# Altium PCB ASCII_LimeSDR-USB_1v4s.PcbDoc (part 9 of 10) (continued)
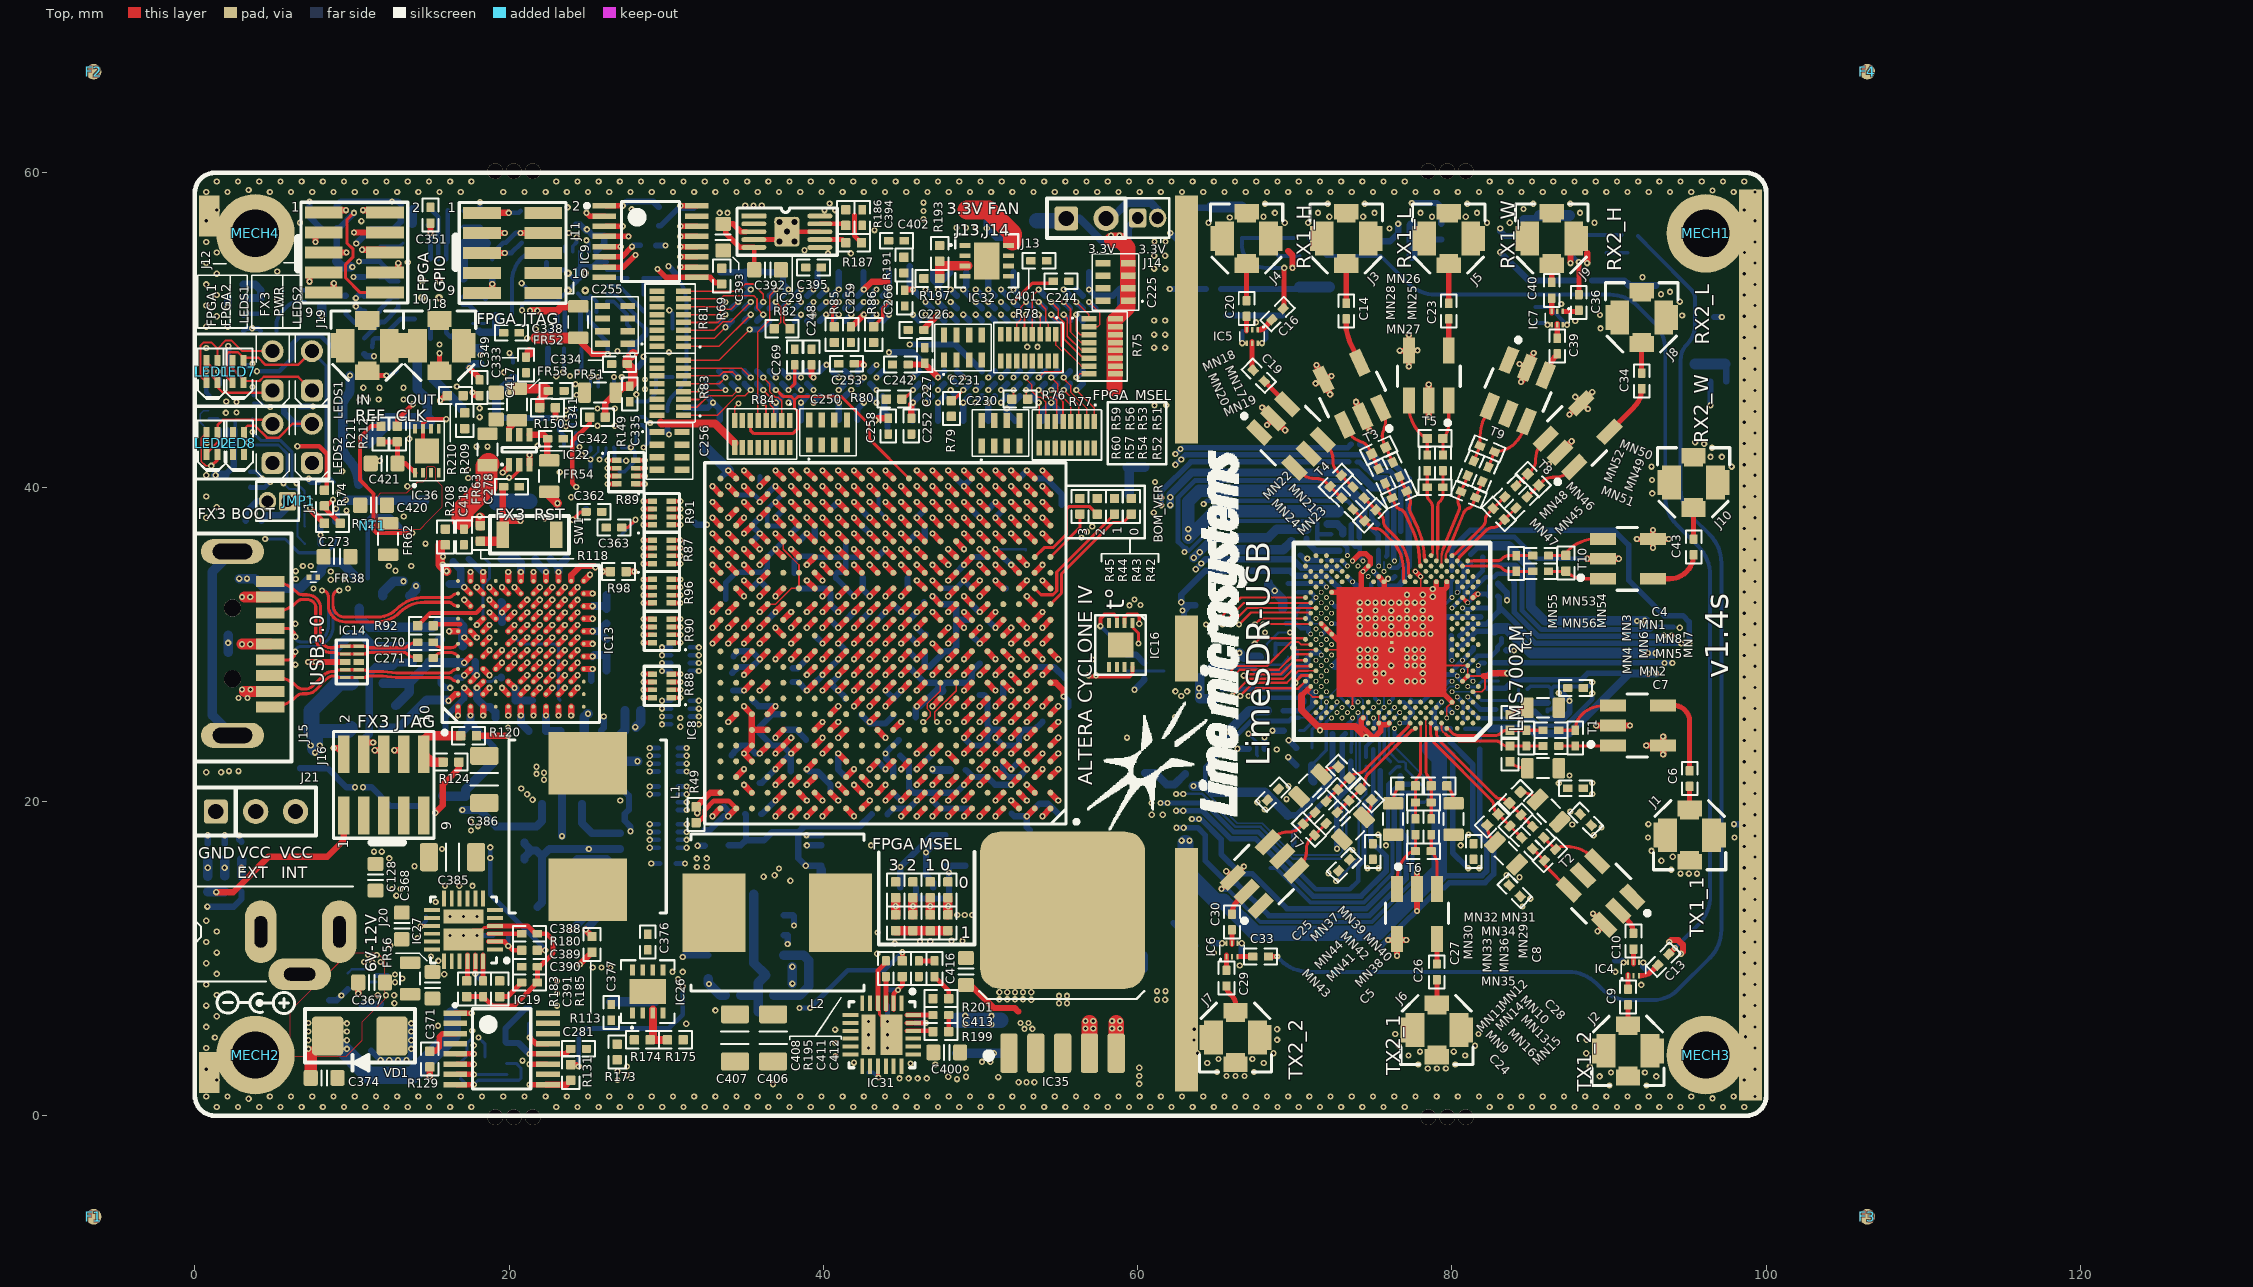
[diagram p0: Top view]
## Nets (pads, with @x,y where several pads share a name; then routed paths per layer and width w, separated by ;. In a path a pad name is that pad's centre, name@x,y a point inside that pad or via, vN(x,y) a via of type N, cw(c..) or ccw(c..) an arc to the next point about the centre after c; other vN are vias at no path point) (continued)
  Bottom w0.6: R63.1@9.025,54.375 9.374,54.026 v1@9.926,54.026
  other v1: 44.85,2.375 45.425,2.375 46,2.375 46.575,2.375 47.125,3.25 45.55,3.325 15.875,9 15.5,9.85 15.025,10.125 12.45,10.825 14.175,11.3 12.775,34.675 13.775,34.975
VDD_FX3: C304.2 C305.1 C306.1 C307.1 C308.1 C309.1 C310.1 C311.1 C312.1 C313.2 C314.2 C315.2 C316.2 C317.2 C318.2 C319.2 C320.2 FR48.2 IC13.B10 IC13.C3 IC13.E9 IC13.F11 IC13.H1 IC13.J11 IC13.L5 IC13.L7 | length 22.2
  Top w0.4: v2(17.15,33.625) IC13.B10@17.55,33.225 ; v2(17.95,27.225) IC13.C3@18.35,27.625 ; v2(19.55,32.025) IC13.E9@19.95,32.425 ; IC13.F11@20.75,34.025 v2(20.75,34.591) ; v2(22.35,25.459) IC13.H1@22.35,26.025 ; IC13.J11@23.15,34.025 v2(23.15,34.591) ; IC13.L5@24.75,29.225 v2(25.316,29.225) ; IC13.L7@24.75,30.825 v2(25.316,30.825)
  Bottom w0.2: v2(17.95,27.225) 18.35,27.625 18.916,27.625 19.15,27.859 19.15,27.875 C320.2@19.5,27.875
  Bottom w0.5: 16.2,33.825 16.9,33.825 ; C319.2@16.45,35.225 16.925,34.75 16.925,33.85 16.9,33.825 ; v2(17.15,33.625) 16.95,33.825 16.9,33.825 ; v2@17.95,27.203 17.95,26.55 18.491,26.009 18.8,26.009 19.125,25.684 C312.1@19.125,25.325 ; C318.2@19.5,32.7 19.55,32.65 C310.1@19.55,31.4 ; C305.1@19.525,35.425 C313.2@20.525,35.425 20.75,35.2 v2(20.75,34.591) ; v2(22.35,25.459) 22.35,24.475 C317.2@23.275,24.475 ; C306.1@22.625,35.425 23.1,34.95 23.15,34.95 ; v2(23.15,34.591) 23.15,34.95 ; C314.2@23.625,35.425 23.15,34.95 ; v2(25.316,29.225) 25.416,29.325 C316.2@26.2,29.325 C308.1@26.2,28.325 ; v2(25.316,30.825) 25.7,30.825 ; C315.2@26.2,30.325 25.7,30.825 ; C307.1@26.2,31.325 25.7,30.825
  other v1: 1.675,21.85 2.175,21.925 2.775,21.925
VDIO_LMS: C2.1 C3.2 C380.2 C381.1 FR57.2 IC2.8 IC3.1 IC3.2 IC3.3 IC3.8 R1.2 R2.2 R3.1 R4.1 R5.2 R12.1 R13.1 R23.1 R25.1 R27.1 R29.1 R30.1 | length 125
  L3 w0.4: v1(38.875,15.9) 42.3,12.475 47.775,12.475 48.325,11.925 49.275,11.925 49.987,11.212 ; v1(43.95,23.05) 44.45,22.55 44.45,18 46.975,15.475 v1(48,15.475) 47.45,16.025 47.45,21.55 v1(46.95,22.05)
  L3 w0.8: 66.76,29.475 64.525,29.475 63.625,30.375 63.625,31.96 66.04,34.375 67.75,34.375 v1(68.725,33.4)
  L3 w1: v1(48,15.475) 49.25,15.475 51.075,13.65
  L3 w1.5: 49.8,6.2 49.8,10.5 51.075,11.775 51.075,14.25 61.125,24.3 65.075,24.3 66.225,25.45 67.575,25.45 68.45,26.325 68.45,28.275 67.75,28.975
  L5 w0.6: v1(68.725,33.4) 69.75,34.425 72.25,34.425 73.087,33.587 73.087,28.987 72.725,28.625
  Bottom w0.4: IC3.3@33.975,17.2 34.75,17.2 35.075,17.525 ; R5.2@35.025,19.2 35.075,19.15 35.075,17.525 ; IC3.8@39.875,15.9 v1(38.875,15.9) 38.4,16.375 38.4,18.032 ; R1.2@43.075,19.175 42.3,18.4 38.768,18.4 38.4,18.032 ; R3.1@44.45,21.55 44.45,22.257 44,22.707 44,23 v1(43.95,23.05) R2.2@44.8,23.9 ; R13.1@45.9,14.525 45.9,14.05 46.125,13.825 47.775,13.825 48,14.05 R12.1@48,14.525 v1(48,15.475) 48,15.675 IC2.8@47.775,15.9 C2.1@49.05,15.9 ; 35.075,17.525 36.225,17.525 36.732,18.032 38.4,18.032
  Bottom w0.5: v1@46.97,22.03 47,22 R4.1@48.05,22
  Bottom w0.6: C3.2@39.875,15.175 39.875,15.65 ; v1@65.425,24.1 67.1,25.775 R27.1@68.25,25.775 ; v1(66.475,29.45) 66.75,29.175 67.751,29.175 R25.1@67.751,29.169 ; R29.1@68.326,33.869 68.326,33.738 69.226,32.838 R23.1@69.226,32.294 ; 72.577,28.644 R30.1@72.951,29.019
  Bottom w1: C381.1@48.525,6.075 C380.2@51.275,6.075
  other v1: 49.025,5.8 50.7,5.8 49.025,6.35 50.7,6.35 65.425,24.075 65.775,24.425
  other v4: 72.351,28.644
VDIO_LMS_FPGA: C137.2 C138.2 C139.2 C140.2 C141.1 C153.1 C154.1 C155.1 C156.1 C157.1 C158.1 C159.1 C160.1 C161.1 C162.1 C163.1 C164.1 C165.1 C166.1 FR50.1 FR57.1 IC8.A2 IC8.A21 IC8.D5 IC8.D9 IC8.D11 IC8.D12 IC8.D14 IC8.D16 IC8.D18 IC8.E8 IC8.E19 IC8.G19 IC8.J20 IC8.L19 R49.2 R103.1 R149.2 R176.1 R177.1 R212.2 | length 157.7
  Top w0.3: R212.2@12.875,43.875 12.875,44.275 v1(13.875,45.275) ; v1(24.275,40) 24.025,40.25 24.025,42.936 25.125,44.036 R149.2@25.125,44.45 ; R49.2@31.9,18.65 32.011,18.65 32.45,19.089 32.45,19.45 33.025,20.025 33.975,20.025 IC8.A21@34.45,19.55
  Top w0.4: v2(33.95,19.05) IC8.A21@34.45,19.55 ; v2(34.95,27.05) IC8.J20@35.45,27.55 ; v2(35.95,23.05) IC8.E19@36.45,23.55 ; v2(35.95,29.05) IC8.L19@36.45,29.55 ; IC8.G19@36.45,25.55 v2(36.95,26.05) ; v2(36.95,22.05) IC8.D18@37.45,22.55 ; v2(38.95,22.05) IC8.D16@39.45,22.55 ; v1(40.95,23.05) IC8.D14@41.45,22.55 ; v2(42.95,22.05) IC8.D12@43.45,22.55 ; v2(43.95,22.05) IC8.D11@44.45,22.55 ; v2(45.95,22.05) IC8.D9@46.45,22.55 ; v2(46.95,23.05) IC8.E8@47.45,23.55 ; v2(49.95,22.05) IC8.D5@50.45,22.55 ; v2(52.95,19.05) IC8.A2@53.45,19.55
  L9 w0.35: v1(0.8,13.3) 2.175,13.3 4.175,15.3 28.725,15.3 29.225,14.8 30.175,14.8 30.6,15.225 30.6,19.983 30.825,20.208 30.825,21.147 31.103,21.425 31.575,21.425 v2(33.95,19.05)
  L6 w0.3: v1(13.875,45.275) 14.275,44.875 17.339,44.875 17.939,45.475 19.3,45.475 20.8,46.975
  L6 w0.6: 27.55,57.375 27.1,57.375 26.148,56.423 26.148,55.496 25.527,54.875 23.275,54.875 21.375,56.775 19.476,56.775 19.125,56.424 19.125,54.575 19.525,54.175 19.525,49.9 20.8,48.625 20.8,46.975 22.225,45.55 22.225,43.3 22.487,43.038 22.487,40.763 23.125,40.125 25.4,40.125 27.375,38.15 27.375,26.375 29.65,24.1 34.9,24.1 v2(35.95,23.05) v2(36.95,22.05) ; v1@27.825,57.225 v1@27.825,57.675
  Bottom w0.4: v1(0.8,13.3) 2.475,13.3 2.975,13.8 R103.1@2.975,14.25 ; C160.1@32.45,18.175 32.782,18.175 33.657,19.05 v2(33.95,19.05) 33.95,19.375 C156.1@33.675,19.65 ; C138.2@34.15,22.925 34.275,23.05 34.275,23.082 34.743,23.55 35.157,23.55 35.657,23.05 v2(35.95,23.05) ; C161.1@34.2,28.175 34.575,28.55 35.45,28.55 v2(35.95,29.05) 35.45,29.55 34.6,29.55 C153.1@34.275,29.225 ; C162.1@34.25,27.05 34.93,27.05 v2@34.94,27.04 ; C163.1@35.475,26.45 35.875,26.05 v2(36.95,26.05) ; C137.2@35.95,21.175 36.075,21.175 v2(36.95,22.05) ; v2(38.95,22.05) 39.1,21.9 C158.1@39.525,21.9 39.625,21.9 40.45,21.075 C140.2@40.45,20.575 ; v1(40.95,23.05) 40.95,22.025 C164.1@41.425,21.55 ; v2(42.95,22.05) C159.1@43.45,22.55 v2(43.95,22.05) ; v2(45.95,22.05) 46.425,22.525 C154.1@46.45,22.525 46.95,23.025 v2(46.95,23.05) ; v2(49.95,22.05) 50.45,22.55 C157.1@50.45,22.575 ; C165.1@51.975,19.225 52.15,19.05 v2(52.95,19.05) ; C166.1@53.125,18.175 52.95,18.35 v2(52.95,19.05) ; C139.2@54.95,19.2 54.3,19.85 C155.1@53.75,19.85 v2(52.95,19.05)
  Bottom w0.6: R177.1@48.5,3.975 R176.1@51.35,3.975
  other v1: 50.1,3.425 50.625,3.425 50.85,3.975 27.8,57.225 27.8,57.675
VDIO_LMS_LMK: C329.2 C330.2 C331.2 C332.2 FR50.2 IC20.14 IC20.18 | length 5
  Bottom w0.25: IC20.14@23.55,54.988 IC20.14@23.55,55.325
  Bottom w0.4: C329.2@24.25,56.7 24.525,56.7 24.925,56.3 25.032,56.3 25.332,56 26.05,56 26.05,55.488 IC20.18@25.55,54.988 ; C330.2@27.65,47.625 28.175,47.625 28.55,48 v1(28.55,48.3)
  other v1: 23.8,56.175 24.95,56.4
VREF_DDR2: C103.1 C104.1 C105.1 C106.1 C107.1 C108.1 C109.1 C110.1 C111.1 C112.1 C113.1 C114.1 C244.1 C269.1 C395.1 IC8.AA18 IC8.AB4 IC8.M5 IC8.P5 IC8.R5 IC8.T3 IC8.U11 IC8.V9 IC8.V12 IC8.V16 IC8.W14 IC8.Y4 IC11.J2 IC12.J2 IC29.6 | length 29.9
  Top w0.2: v1(37.775,46.175) 38.175,46.575 C269.1@38.175,47.725 ; v1(52.1,51.775) 53.3,52.975 C244.1@54.425,52.975
  Top w0.4: v2(36.95,40.05) IC8.AA18@37.45,39.55 ; v2(38.95,37.05) IC8.V16@39.45,36.55 ; v2(40.95,38.05) IC8.W14@41.45,37.55 ; v2(42.95,37.05) IC8.V12@43.45,36.55 ; v2(43.95,36.05) IC8.U11@44.45,35.55 ; v2(45.95,37.05) IC8.V9@46.45,36.55 ; v2(49.95,30.05) IC8.M5@50.45,30.55 ; v2(49.95,32.05) IC8.P5@50.45,32.55 ; v2(49.95,33.05) IC8.R5@50.45,33.55 ; v2(50.95,39.05) IC8.Y4@51.45,38.55 ; v2(50.95,41.05) IC8.AB4@51.45,40.55 ; v2(51.95,35.05) IC8.T3@52.45,34.55
  L3 w0.4: v2(49.95,30.05) 49.45,30.55 49.45,31.55 v2(49.95,32.05)
  L4 w1: v2(49.95,32.05) v2(49.95,33.05) 51.55,33.05 51.95,33.45 v2(51.95,35.05)
  Bottom w0.4: C103.1@36.425,39.575 36.9,40.05 v2(36.95,40.05) ; IC12.J2@37.375,46.575 v1(37.775,46.175) ; C104.1@38.45,36.6 38.5,36.6 v2(38.95,37.05) ; v2(40.95,38.05) C105.1@41.45,37.55 ; C106.1@42.425,37.525 42.475,37.525 v2(42.95,37.05) ; C107.1@43.425,35.525 v2(43.95,36.05) ; C108.1@45.475,36.575 v2(45.95,37.05) ; C112.1@49.425,32.55 49.925,32.05 v2(49.95,32.05) ; C114.1@49.45,30.525 49.475,30.525 v2(49.95,30.05) C113.1@50.425,30.525 ; C110.1@50.45,38.525 50.95,39.025 v2(50.95,39.05) ; v2(50.95,41.05) 51.425,40.575 C109.1@51.45,40.575 ; C111.1@51.425,35.575 v2(51.95,35.05) ; v1(52.1,51.775) IC11.J2@52.5,51.375
  other v1: 40.3,54.875 41.75,54.875 38.8,55.075
VTT_DDR2: C225.1 C225.2 C225.3 C225.4 C230.1 C230.2 C230.3 C230.4 C231.1 C231.2 C231.3 C231.4 C250.1 C250.2 C250.3 C250.4 C255.1 C255.2 C255.3 C255.4 C256.1 C256.2 C256.3 C256.4 C392.2 C393.2 IC29.3 IC29.5 R75.9 R75.10 R75.11 R75.12 R75.13 R75.14 R75.15 R75.16 R77.9 R77.10 R77.11 R77.12 R77.13 R77.14 R77.15 R77.16 R78.9 R78.10 R78.11 R78.12 R78.13 R78.14 R78.15 R78.16 R81.9 R81.10 R81.11 R81.12 R81.13 R81.14 R81.15 R81.16 R83.9 R83.10 R83.11 R83.12 R83.13 R83.14 R83.15 R83.16 R84.9 R84.10 R84.11 R84.12 R84.13 R84.14 R84.15 R84.16 | length 73.4
  Top w0.3: IC29.5@35.575,55.25 35.6,55.225 C392.2@35.6,53.825
  Top w0.35: C393.2@33.625,56.75 C393.2@33.8,56.75 ; IC29.3@35.075,56.25 34.75,56.25 34.25,56.75 C393.2@33.8,56.75 ; IC29.5@35.575,55.25 34.698,55.25 33.8,56.148 C393.2@33.8,56.75
  Top w0.5: 29.65,44.1 29.7,44.05 33.1,44.05 R84.9@34.35,42.8
  Top w1: 58.35,55.7 58.9,55.7 59.375,55.225 59.375,51.45 58.525,50.6 58.525,46.275
  L5 w0.8: 44.85,53.875 45,53.725 45,50.685 46.76,48.925 v1(53.625,48.925)
  L5 w1.2: 28.7,46.575 29.425,46.575 31.25,48.4 31.25,51.725 33.675,54.15 33.95,53.875 44.85,53.875 54.175,53.875 55.9,55.6 58.75,55.6
  L5 w2: 33.675,54.15 33.675,57.375
  other v1: 28.65,46.225 28.65,46.85 52.975,48.925 58.3,56 58.85,56 33.4,57.45 33.9,57.45
pads on no net: C1.0 C2.0 C3.0 C4.0 C5.0 C6.0 C7.0 C8.0 C9.0 C10.0 C11.0 C12.0 C13.0 C14.0 C15.0 C16.0 C17.0 C18.0 C19.0 C20.0 C21.0 C22.0 C23.0 C24.0 C25.0 C26.0 C27.0 C28.0 C29.0 C30.0 C31.0 C32.0 C33.0 C34.0 C35.0 C36.0 C37.0 C38.0 C39.0 C40.0 C41.0 C42.0 C43.0 C103.0 C104.0 C105.0 C106.0 C107.0 C108.0 C109.0 C110.0 C111.0 C112.0 C113.0 C114.0 C115.0 C116.0 C117.0 C118.0 C119.0 C120.0 C121.0 C122.0 C123.0 C124.0 C125.0 C126.0 C127.0 C128.0 C129.0 C130.0 C131.0 C132.0 C133.0 C134.0 C135.0 C136.0 C137.0 C138.0 C139.0 C140.0 C141.0 C142.0 C143.0 C144.0 C145.0 C146.0 C147.0 C148.0 C149.0 C150.0 C151.0 C152.0 C153.0 C154.0 C155.0 C156.0 C157.0 C158.0 C159.0 C160.0 C161.0 C162.0 C163.0 C164.0 C165.0 C166.0 C167.0 C168.0 C169.0 C170.0 C171.0 C172.0 C173.0 C174.0 C175.0 C176.0 C177.0 C178.0 C179.0 C180.0 C181.0 C182.0 C183.0 C184.0 C185.0 C186.0 C187.0 C188.0 C189.0 C190.0 C191.0 C192.0 C193.0 C194.0 C195.0 C196.0 C197.0 C198.0 C199.0 C200.0 C201.0 C202.0 C203.0 C204.0 C205.0 C206.0 C207.0 C208.0 C209.0 C210.0 C211.0 C212.0 C213.0 C214.0 C215.0 C216.0 C217.0 C218.0 C219.0 C220.0 C221.0 C222.0 C223.0 C224.0 C226.0 C227.0 C228.0 C229.0 C232.0 C233.0 C234.0 C235.0 C236.0 C237.0 C238.0 C239.0 C240.0 C241.0 C242.0 C243.0 C244.0 C245.0 C246.0 C247.0 C248.0 C249.0 C251.0 C252.0 C253.0 C254.0 C257.0 C258.0 C259.0 C260.0 C261.0 C262.0 C263.0 C264.0 C265.0 C266.0 C267.0 C268.0 C269.0 C270.0 C271.0 C272.0 C273.0 C274.0 C275.0 C276.0 C277.0 C278.0 C279.0 C280.0 C281.0 C282.0 C283.0 C284.0 C285.0 C286.0 C287.0 C288.0 C289.0 C290.0 C291.0 C292.0 C293.0 C294.0 C295.0 C296.0 C297.0 C298.0 C299.0 C300.0 C301.0 C302.0 C303.0 C304.0 C305.0 C306.0 C307.0 C308.0 C309.0 C310.0 C311.0 C312.0 C313.0 C314.0 C315.0 C316.0 C317.0 C318.0 C319.0 C320.0 C321.0 C322.0 C323.0 C324.0 C325.0 C326.0 C327.0 C328.0 C329.0 C330.0 C331.0 C332.0 C333.0 C334.0 C335.0 C336.0 C337.0 C338.0 C339.0 C340.0 C341.0 C342.0 C343.0 C344.0 C345.0 C346.0 C347.0 C348.0 C349.0 C350.0 C351.0 C352.0 C353.0 C354.0 C355.0 C356.0 C357.0 C358.0 C359.0 C360.0 C361.0 C362.0 C363.0 C364.0 C365.0 C366.0 C367.0 C368.0 C369.0 C370.0 C371.0 C372.0 C373.0 C374.0 C375.0 C376.0 C377.0 C378.0 C379.0 C380.0 C381.0 C382.0 C383.0 C384.0 C385.0 C386.0 C387.0 C388.0 C389.0 C390.0 C391.0 C392.0 C393.0 C394.0 C395.0 C396.0 C397.0 C398.0 C399.0 C400.0 C401.0 C402.0 C403.0 C404.0 C405.0 C406.0 C407.0 C408.0 C409.0 C410.0 C411.0 C412.0 C413.0 C414.0 C415.0 C416.0 C417.0 C418.0 C419.0 C420.0 C421.0 F1.1 F2.1 F3.1 F4.1 FR36.0 FR37.0 FR40.0 FR41.0 FR42.0 FR43.0 FR44.0 FR45.0 FR46.0 FR47.0 FR48.0 FR49.0 FR50.0 FR51.0 FR52.0 FR53.0 FR54.0 FR56.0 FR57.0 FR58.0 FR59.0 FR60.0 FR61.0 FR62.0 FR63.0 IC1.A5 IC1.A21 IC1.AA1 IC1.AA3 IC1.AA5 IC1.AB2 IC1.AB4 IC1.AB6 IC1.AC3 IC1.AC5 IC1.AD2 IC1.AE1 IC1.AE5 IC1.AG3 IC1.AG33 IC1.AH2 IC1.AH4 IC1.AH32 IC1.AJ1 IC1.AJ3 IC1.AJ5 IC1.AJ11 IC1.AJ13 IC1.AJ21 IC1.AJ27 IC1.AJ29 IC1.AJ31 IC1.AJ33 IC1.AK2 IC1.AK4 IC1.AK6 IC1.AK8 IC1.AK10 IC1.AK26 IC1.AK28 IC1.AK30 IC1.AK32 IC1.AK34 IC1.AL3 IC1.AL5 IC1.AL7 IC1.AL9 IC1.AL11 IC1.AL27 IC1.AL29 IC1.AL31 IC1.AL33 IC1.AM6 IC1.AM10 IC1.AM28 IC1.AM30 IC1.AM34 IC1.AN27 IC1.AN29 IC1.AN31 IC1.AP30 IC1.AP32 IC1.B2 IC1.B4 IC1.B22 IC1.C1 IC1.C3 IC1.C5 IC1.C9 IC1.C13 IC1.C15 IC1.C17 IC1.C19 IC1.C31 IC1.D2 IC1.D4 IC1.D8 IC1.D10 IC1.D12 IC1.D14 IC1.D18 IC1.D22 IC1.D30 IC1.D32 IC1.E3 IC1.E9 IC1.E11 IC1.E13 IC1.E15 IC1.E23 IC1.E29 IC1.E31 IC1.F2 IC1.F4 IC1.F10 IC1.F12 IC1.F14 IC1.F16 IC1.F22 IC1.F26 IC1.F32 IC1.G1 IC1.G29 IC1.J1 IC1.M2 IC1.M6 IC1.P2 IC1.R3 IC1.R5 IC1.T4 IC1.T6 IC1.U1 IC1.U3 IC1.U5 IC1.V2 IC1.V4 IC1.V6 IC1.W3 IC1.Y2 IC1.Y4 IC1.Y6 IC8.A20 IC8.B21 IC8.C19 IC8.C20 IC8.C22 IC8.D13 IC8.D19 IC8.D21 IC8.D22 IC8.E7 IC8.E10 IC8.E11 IC8.E12 IC8.E14 IC8.E21 IC8.E22 IC8.F7 IC8.F8 IC8.F9 IC8.F10 IC8.F13 IC8.F17 IC8.F21 IC8.F22 IC8.G7 IC8.G8 IC8.G9 IC8.G10 IC8.G11 IC8.G13 IC8.G14 IC8.G16 IC8.G17 IC8.G18 IC8.H10 IC8.H14 IC8.H15 IC8.H16 IC8.H19 IC8.H20 IC8.H21 IC8.H22 IC8.J17 IC8.J21 IC8.J22 IC8.K17 IC8.K18 IC8.K21 IC8.K22 IC8.L21 IC8.L22 IC8.P3 IC8.P4 IC8.P17 IC8.T18 IC11.A2 IC11.E2 IC11.R3 IC11.R7 IC11.R8 IC12.A2 IC12.E2 IC12.R3 IC12.R7 IC12.R8 IC13.A11 IC13.D1 IC13.D2 IC13.D3 IC13.D6 IC13.D7 IC13.D11 IC16.9 IC17.3 IC17.11 IC19.2 IC19.10 IC20.4 IC20.9 IC20.10 IC24.3 IC25.B2 IC26.2 IC26.6 IC26.7 IC27.21 IC28.2 IC28.6 IC28.7 IC30.2 IC30.6 IC30.7 IC31.21 IC32.2 IC32.6 IC32.7 IC33.2 IC33.6 IC33.7 IC34.2 IC34.6 IC34.7 IC35.0 IC35.1 IC36.2 IC36.4 IC36.6 J11.6 J11.7 J11.8 J15.11 J16.7 J16.9 LED1.0 LED2.0 LED7.0 LED8.0 LED8.2 LED8.4 MN1.0 MN2.0 MN3.0 MN4.0 MN5.0 MN6.0 MN7.0 MN8.0 MN9.0 MN10.0 MN11.0 MN12.0 MN13.0 MN14.0 MN15.0 MN16.0 MN17.0 MN18.0 MN19.0 MN20.0 MN21.0 MN22.0 MN23.0 MN24.0 MN25.0 MN26.0 MN27.0 MN28.0 MN29.0 MN30.0 MN31.0 MN32.0 MN33.0 MN34.0 MN35.0 MN36.0 MN37.0 MN38.0 MN39.0 MN40.0 MN41.0 MN42.0 MN43.0 MN44.0 MN45.0 MN46.0 MN47.0 MN48.0 MN49.0 MN50.0 MN51.0 MN52.0 MN53.0 MN54.0 MN55.0 MN56.0 R1.0 R2.0 R3.0 R4.0 R5.0 R6.0 R7.0 R8.0 R9.0 R10.0 R11.0 R12.0 R13.0 R14.0 R15.0 R16.0 R17.0 R18.0 R19.0 R20.0 R21.0 R22.0 R23.0 R24.0 R25.0 R26.0 R27.0 R28.0 R29.0 R30.0 R42.0 R43.0 R44.0 R45.0 R46.0 R47.0 R48.0 R49.0 R50.0 R51.0 R52.0 R53.0 R54.0 R55.0 R56.0 R57.0 R58.0 R59.0 R60.0 R61.0 R62.0 R63.0 R64.0 R65.0 R66.0 R67.0 R68.0 R69.0 R70.0 R71.0 R72.0 R73.0 R74.0 R76.0 R78.7 R78.8 R79.0 R80.0 R82.0 R84.1 R84.7 R85.0 R86.0 R92.0 R93.0 R95.0 R98.0 R99.0 R102.1 R102.3 R103.0 R104.0 R105.0 R106.0 R107.0 R108.0 R109.0 R110.0 R111.0 R112.0 R113.0 R114.0 R115.0 R116.0 R117.0 R118.0 R119.0 R120.0 R121.0 R122.0 R123.0 R124.0 R125.0 R126.0 R127.0 R128.0 R129.0 R130.0 R131.0 R132.0 R133.0 R134.0 R135.0 R136.0 R137.0 R138.0 R139.0 R140.0 R141.0 R142.0 R143.0 R144.0 R145.0 R146.0 R147.0 R148.0 R149.0 R150.0 R151.0 R152.0 R153.0 R154.0 R155.0 R156.0 R157.0 R158.0 R159.0 R160.0 R161.0 R162.0 R163.0 R164.0 R165.0 R166.0 R167.0 R168.0 R169.0 R170.0 R171.0 R172.0 R173.0 R174.0 R175.0 R176.0 R177.0 R178.0 R179.0 R180.0 R181.0 R182.0 R183.0 R184.0 R185.0 R186.0 R187.0 R188.0 R189.0 R190.0 R191.0 R192.0 R193.0 R194.0 R195.0 R196.0 R197.0 R198.0 R199.0 R200.0 R201.0 R202.0 R203.0 R204.0 R205.0 R206.0 R207.0 R208.0 R209.0 R210.0 R211.0 R212.0 RA1.0 RA2.0 RA3.0 RA4.0 RA5.0 RA6.0 RA7.0 RA8.0 T2.1 T2.5 T4.1 T4.5 T7.1 T7.5 T9.1 T9.5 VD1.0 VT7.0 XO1.3 XT1.0 XT2.0
copper on no net: | length 1.5
  Bottom w0.2: 17.675,50.4 18.65,50.4
  Bottom w0.4: 56.1,52.575 56.5,52.175

## Polygon pours and split planes (outlines as drawn)
GND on L8 "GND_L08_P041" (solid, remove dead copper, pour order 41): 0,1.27 0,58.73 cw(c1.27,58.73) 1.27,60 98.73,60 cw(c98.73,58.73) 100,58.73 100,1.27 cw(c98.73,1.27) 98.73,0 1.27,0 cw(c1.27,1.27)
GND on L8 "GND_L08_P025" (solid, remove dead copper, pour order 25): 68.475,18.575 67.975,18.575 67.675,18.275 64.575,15.175 64.575,14.7 67.15,12.125 67.775,12.125 71.225,15.575 71.35,15.7 71.35,18.25 72.538,19.438 76.275,19.437 76.275,22.125 69.175,22.125 70.05,21.25 70.05,19.75 68.875,18.575
GND on L8 "GND_L08_P026" (solid, remove dead copper, pour order 26): 75.446,14.821 75.446,14.6 75.446,10.216 75.782,9.88 79.424,9.88 79.866,10.322 79.866,15.201 79.406,15.661 76.286,15.661
GND on L8 "GND_L08_P027" (solid, remove dead copper, pour order 27): 86.268,14.587 86.268,14.087 86.568,13.787 89.668,10.687 90.143,10.687 92.718,13.262 92.718,13.887 89.268,17.337 88.618,17.337 86.268,14.987 86.268,14.587
GND on L8 "GND_L08_P028" (solid, remove dead copper, pour order 28): 89.272,22.875 89.626,22.521 90.05,22.521 94.434,22.521 94.77,22.857 94.77,26.499 94.328,26.941 89.449,26.941 88.989,26.481 88.989,23.158 89.272,22.875
VCC1P8_LMS on L8 "VCC1P8_LMS_L6" (solid, remove dead copper, pour order 29): 60.675,7.325 60.675,17.625 64.875,21.825 69.9,21.825 71.475,17.575 72.175,18.347 73.377,18.348 75.577,18.347 76.275,17.65 76.275,14.675 79.866,14.675 79.866,19.216 82.475,21.825 85.8,25.15 85.8,25.925 85.8,27.2 88.275,29.675 90.625,29.675 93.3,27 93.3,26.85 90.3,26.85 88.925,25.475 88.678,18.347 85.8,15.47 85.8,8.225 83.275,5.7 62.3,5.7
VCC3P3 on L8 "VCC3P3_L6" (solid, remove dead copper, pour order 3): 22.05,22.375 19.063,22.375 18.125,21.438 15.688,21.438 10.775,16.525 10.775,5.975 15.1,1.65 45.35,1.65 53.95,1.65 56.563,4.263 56.563,7.263 50.725,13.1 28.975,13.1 25.575,16.5 25.575,18.85
GND on L4 "GND_L04_P033" (solid, remove dead copper, pour order 33): 0,1.27 0,58.73 cw(c1.27,58.73) 1.27,60 98.73,60 cw(c98.73,58.73) 100,58.73 100,1.27 cw(c98.73,1.27) 98.73,0 1.27,0 cw(c1.27,1.27)
VCC5P0_USB on L4 "VCC5P0_USB_L4" (solid, remove dead copper, pour order 4): 9.175,35.225 14.038,30.363 14.038,24.7 15.625,23.113 15.625,17.475 17.7,15.4 17.7,8.45 15.9,6.65 3.15,6.65 2.2,7.6 2.2,31.35 6.075,35.225
VCC3P3 on L4 "VCC3P3" (solid, remove dead copper, pour order 6): 46.725,58.425 30.45,58.425 30.175,58.15 30.175,57.7 30.45,57.425 31.125,57.425 34.225,54.325 44.325,54.325 46.75,56.75
VCC2P5 on L4 "VCC2P5_L4" (solid, remove dead copper, pour order 7): 26.65,4.15 28.1,5.6 35.075,5.6 41.675,12.2 46.6,12.2 48.775,12.2 49.325,11.65 49.65,11.325 49.65,4.325 49.65,2.5 48.875,1.725 27.075,1.725 26.65,2.15
GND on L3 "GND_L03_P032" (solid, remove dead copper, pour order 32): 0,1.27 0,58.73 cw(c1.27,58.73) 1.27,60 98.73,60 cw(c98.73,58.73) 100,58.73 100,1.27 cw(c98.73,1.27) 98.73,0 1.27,0 cw(c1.27,1.27)
VCC3P3_FX3 on L3 "VCC3P3_FX3_L3" (solid, remove dead copper, pour order 17): 16.6,25.175 15.1,26.675 15.1,30.35 15.1,31.875 16.9,33.675 18.125,34.9 19.75,34.9 20.025,34.625 20.025,32.675 18.375,31.025 18.375,30.05 18.375,25.475 18.075,25.175
VCC1P8_DDR2 on L3 "VCC1P8_DDR2" (solid, remove dead copper, pour order 5): 32.65,58.3 31.525,57.175 31.525,46 33.725,43.8 55.575,43.8 57.325,45.55 57.325,51.2 57.325,52.65 55.075,54.9 45.1,54.9 41.7,58.3
VCC_INT on L3 "VCC5P0_L3" (solid, remove dead copper, pour order 8): 12.25,11.825 43.075,11.825 47.625,7.275 47.625,3 46.5,1.875 16.6,1.875 13.038,5.438 13.038,9.587 12.25,10.375
VCC_INT on L3 "VCC_INT_L3_2" (solid, remove dead copper, pour order 14): 12.35,10.8 12.35,14.825 10.15,17.025 6.125,17.025 4.975,18.175 4.975,21.45 7.625,24.1 14.975,24.1 20.875,18.2 20.875,10.8
VCC_EXT on L3 "VCC_EXT_L3" (solid, remove dead copper, pour order 15): 12.1,4 12.1,9.9 11.65,10.35 9.95,10.35 6.625,7.025 6.625,3.982
VREF_DDR2 on L10 "VREF_DDR2_L8" (solid, remove dead copper, pour order 10): 36.525,56.6 33.875,53.95 33.875,42.775 33.875,38.25 37.325,34.8 55.05,34.8 56.075,35.825 56.85,36.6 56.85,45.575 56.85,52.75 53,56.6
GND on L10 "GND_L10_P045" (solid, remove dead copper, pour order 45): 0,1.27 0,58.73 cw(c1.27,58.73) 1.27,60 98.73,60 cw(c98.73,58.73) 100,58.73 100,1.27 cw(c98.73,1.27) 98.73,0 1.27,0 cw(c1.27,1.27)
VCC1P2 on L10 "VCC1P2_L8" (solid, remove dead copper, pour order 9): 33,31.075 39.675,31.075 40.825,32.225 46.45,32.225 46.9,31.775 46.9,26.375 43.238,22.713 42.337,22.713 35.075,15.45 30.85,15.45 29.45,16.85 29.45,18.8 27.55,20.7 27.55,25.625
VDD_FX3 on L10 "VDD_FX3_L10" (solid, remove dead copper, pour order 24): 18.3,35.95 24,35.95 25.875,34.075 25.875,25.9 24.85,24.875 9.05,24.875 4.975,20.8 1.375,20.8 0.306,21.869 0.306,29.061 7.195,35.95
VCC1P8_FX3 on L5 "VCC1P8_FX3_L5" (solid, remove dead copper, pour order 20): 23.7,35 23.7,26.925 12.8,16.025 11.075,16.025 10.675,16.425 10.675,20.225 12.5,22.05 14.375,23.925 17.15,26.7 17.15,34.475 17.675,35 20.275,35
VDIO_LMS_LMK on L5 "+3.3V_DIG_LMK_L5" (solid, remove dead copper, pour order 19): 28.325,47.55 29.075,48.3 29.075,55.5 27.475,57.1 24.75,57.1 22.175,57.1 21.675,56.6 21.675,52.35 23.487,50.537 23.488,49.038 24.975,47.55
VDIO_LMS_FPGA on L5 "VDIO_LMS_FPGA_L5" (solid, remove dead copper, pour order 11): 33.375,27.175 33.375,18.375 34.55,17.2 37.275,17.2 41.037,13.438 41.038,8.563 46.5,3.1 51.031,3.1 52.95,5.019 52.95,17.2 53.3,17.55 53.3,25.7 49.5,29.5 35.7,29.5
VCC1P8 on L5 "VCC1P8_L5" (solid, remove dead copper, pour order 13): 36.125,30.625 54.025,30.625 54.575,31.175 54.575,42.125 54.15,42.55 52,44.7 24.95,44.7 24.3,44.05 24.3,26.842 12.225,14.767 12.225,7.75 31.786,7.75 33.1,9.064 33.1,14.425 31.8,15.725 31.8,26.3
GND on L5 "GND_L05_P034" (solid, remove dead copper, pour order 34): 0,1.27 0,58.73 cw(c1.27,58.73) 1.27,60 98.73,60 cw(c98.73,58.73) 100,58.73 100,1.27 cw(c98.73,1.27) 98.73,0 1.27,0 cw(c1.27,1.27)
NetC373_1 on L5 "NETC373_1_L05_P021" (solid, remove dead copper, pour order 21): 14.2,6.25 12.525,6.25 11.3,7.475 11.3,14.675 9.85,16.125 9.85,17.5 7.8,19.55 6.7,20.65 3.275,20.65 2.775,20.65 2.4,20.275 1.8,19.675 1.8,9.3 8.375,2.725 13.75,2.725 14.325,3.3 14.325,6.125
NetC420_2 on Top "NETC420_2_L01_P001" (solid, remove dead copper, pour order 1): 11.6,37.425 11.6,39.4 11.825,39.625 13.475,39.625 13.95,40.1 14.2,40.35 14.525,40.35 14.775,40.6 14.775,40.9 14.775,41.275 14.825,41.325 15.2,41.325 15.25,41.275 15.3,41.225 15.3,40.5 15.725,40.075 15.725,39.825 15.725,38.725 14.825,37.825 14.3,37.3 13.05,37.3 11.725,37.3
GND on Top "GND_L01_P030" (solid, remove dead copper, pour order 30): -0.05,1.27 -0.05,58.73 cw(c1.22,58.73) 1.22,60 98.68,60 cw(c98.68,58.73) 99.95,58.73 99.95,1.27 cw(c98.68,1.27) 98.68,0 1.22,0 cw(c1.22,1.27)
VCC_EXT on Top "VCC_EXT_L3" (solid, remove dead copper, pour order 16): 12.1,9.9 11.65,10.35 9.75,10.35 6.05,6.65 6.05,3.994 6.26,3.775 9.65,3.775 10.663,4.787 10.663,5.975 12.1,7.413
GND on L6 "GND_L06_P035" (solid, remove dead copper, pour order 35): 0,1.27 0,58.73 cw(c1.27,58.73) 1.27,60 98.73,60 cw(c98.73,58.73) 100,58.73 100,1.27 cw(c98.73,1.27) 98.73,0 1.27,0 cw(c1.27,1.27)
VCC3P3 on L6 "VCC3P3_L6" (solid, remove dead copper, pour order 22): 51.291,1.909 56.55,1.909 59.975,5.334 59.975,28.85 60.65,29.525 61.725,30.6 61.725,36.575 59.575,38.725 59.575,50.125 59.575,57.6 58.8,58.375 31.525,58.375 29.8,58.375 29.6,58.175 29.6,45.575 32.925,42.25 48.075,42.25 50.55,39.775 50.55,2.65
VCC1P8_FX3 on L6 "VCC1P8_FX3_L3" (solid, remove dead copper, pour order 18): 18.675,24.9 18.675,31.125 20.175,32.625 20.175,34.875 20.45,35.15 25.575,35.15 25.925,34.8 25.925,32.625 25.35,32.05 25.35,21.35 19.9,15.9 11.125,15.9 11.125,17.35
FX3_GND on L2 "FX3_GND_L2" (solid, remove dead copper, pour order 2): 0.491,37.175 14.966,37.175 17.55,34.591 17.55,25.459 14.766,22.675 0.466,22.675
GND on L2 "GND_L02_P031" (solid, remove dead copper, pour order 31): 0,1.27 0,58.73 cw(c1.27,58.73) 1.27,60 98.73,60 cw(c98.73,58.73) 100,58.73 100,1.27 cw(c98.73,1.27) 98.73,0 1.27,0 cw(c1.27,1.27)
GND on L7 "GND_L07_P037" (solid, remove dead copper, pour order 37): 0,1.27 0,58.73 cw(c1.27,58.73) 1.27,60 98.73,60 cw(c98.73,58.73) 100,58.73 100,1.27 cw(c98.73,1.27) 98.73,0 1.27,0 cw(c1.27,1.27)
GND on L9 "GND_L09_P043" (solid, remove dead copper, pour order 43): 0,1.27 0,58.73 cw(c1.27,58.73) 1.27,60 98.73,60 cw(c98.73,58.73) 100,58.73 100,1.27 cw(c98.73,1.27) 98.73,0 1.27,0 cw(c1.27,1.27)
GND on L11 "GND_L11_P047" (solid, remove dead copper, pour order 47): 0,1.27 0,58.73 cw(c1.27,58.73) 1.27,60 98.73,60 cw(c98.73,58.73) 100,58.73 100,1.27 cw(c98.73,1.27) 98.73,0 1.27,0 cw(c1.27,1.27)
GND on Bottom "GND_L12_P049" (solid, remove dead copper, pour order 49): 0,1.27 0,58.73 cw(c1.27,58.73) 1.27,60 98.73,60 cw(c98.73,58.73) 100,58.73 100,1.27 cw(c98.73,1.27) 98.73,0 1.27,0 cw(c1.27,1.27)

## Other copper
L10:
  text "A" at 96.25,8.825 h0.7
  text "V" at 97.25,8.825 h0.7
  text "L" at 96.725,8.25 h0.7
  text "D" at 96.5,6.925 h0.7
  text "R" at 97.05,6.925 h0.7

## Silkscreen, mask and mechanical layers (free items; w line width, h text height)
TopOverlay:
  drawing of 2388 lines, arcs and shapes, not listed
  text "3.3V FAN" at 47.85,57.35 h0.75
  text "J13,J14" at 48.4,56 h0.75
  text "3.3V" at 56.85,54.875 h0.55
  text "3.3V" at 60.075,54.85 h0.55
  text "RX1_L" at 77.425,53.9 h0.9 r90
  text "RX1_W" at 84,53.875 h0.9 r90
  text "RX1_H" at 71,53.85 h0.9 r90
  text "RX2_H" at 90.775,53.725 h0.9 r90
  text "FPGA" at 14.875,52.425 h0.7 r90
  text "GPIO" at 15.95,52.4 h0.7 r90
  text "FX3" at 4.775,50.825 h0.6 r90
  text "PWR" at 5.675,50.825 h0.6 r90
  text "LEDS1" at 3.425,50.4 h0.55 r90
  text "LEDS2" at 6.8,50.375 h0.55 r90
  text "FPGA" at 17.95,50.35 h0.7
  text "JTAG" at 20.875,50.35 h0.7
  text "FPGA1" at 1.375,50.2 h0.6 r90
  text "FPGA2" at 2.3,50.2 h0.6 r90
  text "RX2_L" at 96.375,49.05 h0.9 r90
  text "FPGA" at 57.15,45.525 h0.62
  text "MSEL" at 59.85,45.525 h0.62
  text "IN" at 10.275,45.225 h0.65
  text "OUT" at 13.45,45.225 h0.65
  text "REF" at 10.225,44.175 h0.75
  text "CLK" at 12.8,44.175 h0.75
  text "RX2_W" at 96.325,42.775 h0.9 r90
  text "FX3 BOOT" at 0.2,37.95 h0.7
  text "FX3" at 19.125,37.9 h0.75
  text "RST" at 21.6,37.9 h0.75
  text "1" at 59,37 h0.55 r90
  text "3" at 56.8,36.9 h0.55 r90
  text "2" at 57.9,36.9 h0.55 r90
  text "0" at 60.075,36.9 h0.55 r90
  text "BOM_VER" at 61.6,36.45 h0.55 r90
  text "o" at 58.7,32.925 h1.2 r90
  text "t" at 59.516,32.193 h2.1 r90
  text "v1.4s" at 98.05,27.85 h2.5 r90
  text "USB3.0" at 8.25,27.325 h0.9 r90
  text "FX3 JTAG" at 10.325,24.675 h0.8
  text "LMS7002M" at 84.525,24.4 h0.9 r90
  text "LimeSDR-USB" at 68.925,22.25 h2.6 r90
  text "ALTERA CYCLONE IV" at 57.125,21.025 h0.9 r90
  text "FPGA MSEL" at 43.125,16.925 h0.75
  text "VCC" at 2.725,16.375 h0.75
  text "VCC" at 5.4,16.375 h0.75
  text "GND" at 0.225,16.35 h0.75
  text "3" at 44.175,15.6 h0.75
  text "2" at 45.3,15.6 h0.75
  text "1" at 46.475,15.6 h0.75
  text "0" at 47.45,15.6 h0.75
  text "EXT" at 2.7,15.1 h0.75
  text "INT" at 5.5,15.1 h0.75
  text "0" at 48.6,14.475 h0.75
  text "TX1_1" at 96.025,11.35 h0.9 r90
  text "1" at 48.75,11.3 h0.75
  text "6V-12V" at 11.575,9.125 h0.75 r90
  text "TX2_1" at 76.725,2.575 h0.9 r90
  text "TX2_2" at 70.5,2.275 h0.9 r90
  text "TX1_2" at 88.875,1.525 h0.9 r90
BottomOverlay:
  drawing of 795 lines, arcs and shapes, not listed
  text "DDR2" at 31.925,51.7 h0.65
  text "#1" at 31.15,50.725 h0.65
  text "DDR2 #2" at 59.375,50 h0.65 r90
  text "XO1-XO2" at 20.825,43.3 h0.55 r90
  text "components" at 43.075,41.625 h0.55
  text "Unmarked" at 48.6,41.5 h0.55
  text "are cap-s" at 42.475,40.375 h0.55